# KiCad board WINDOW-4CH.kicad_pcb (continued)
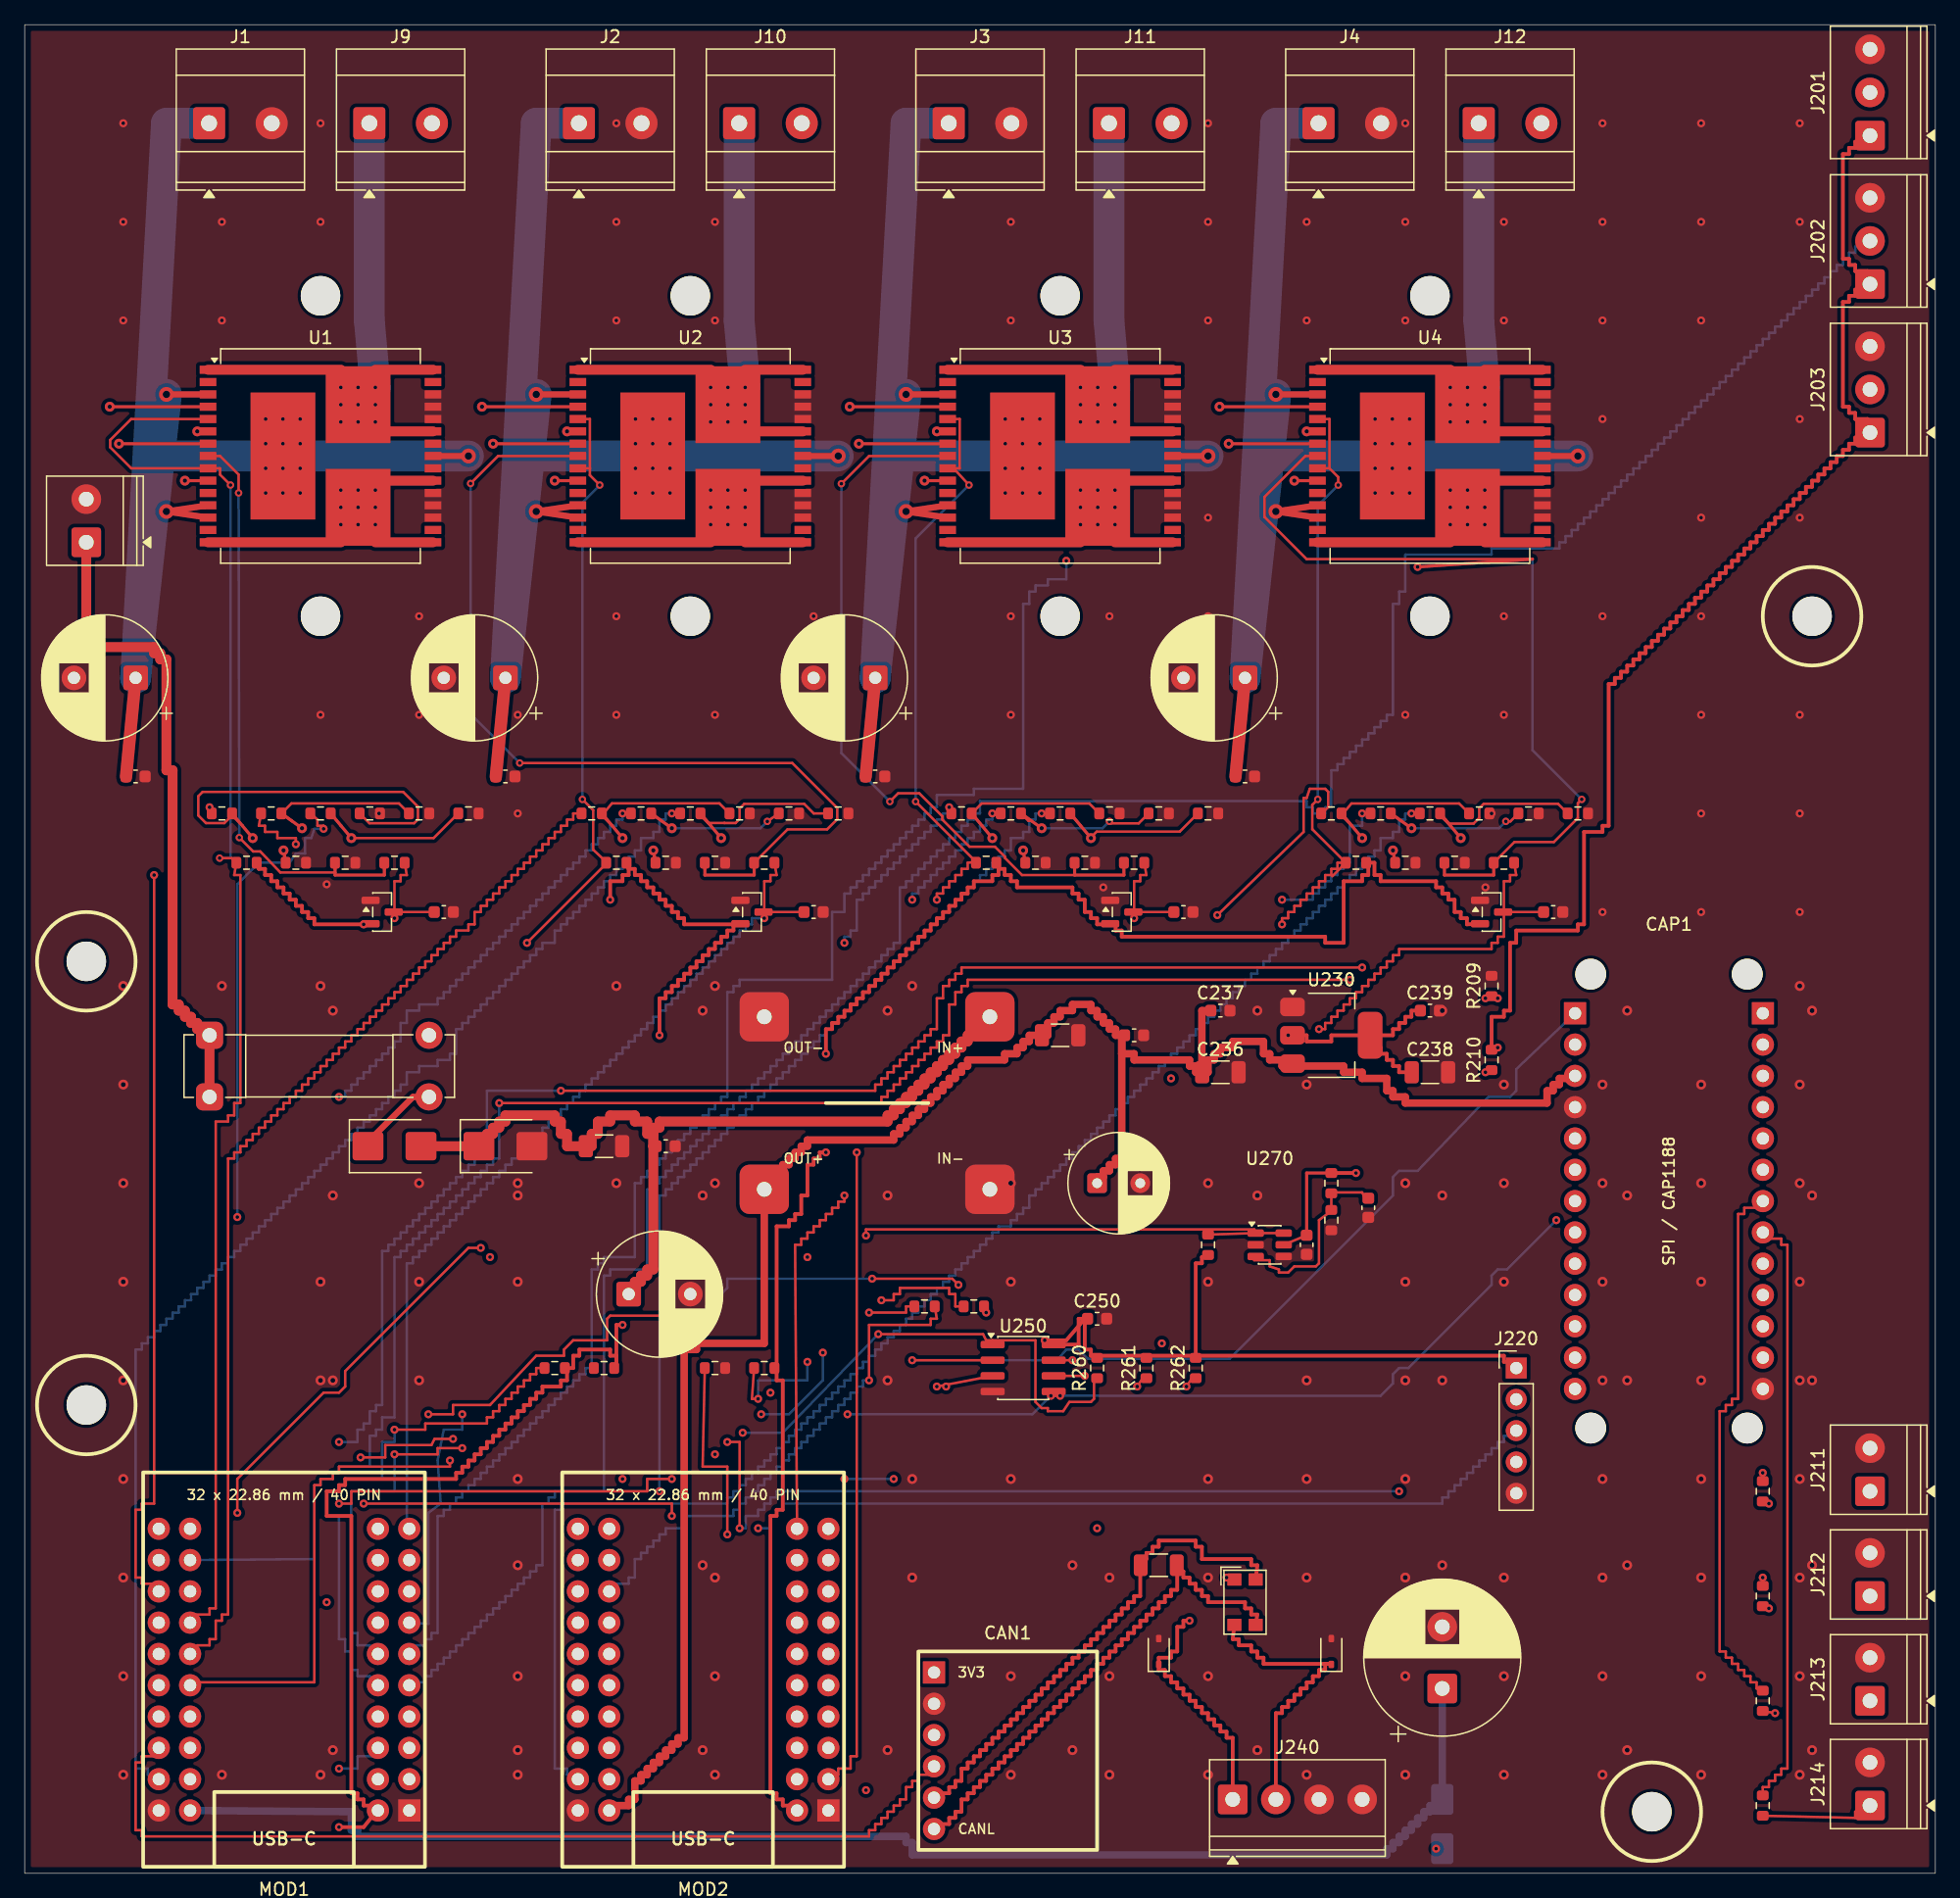
[diagram p0: board, top side]
## Nets (continued)

## Via types
v1: diameter 0.65, hole 0.3, Top to Bottom, 302 vias
v2: diameter 0.8, hole 0.4, Top to Bottom, 125 vias
v3: diameter 0.6, hole 0.3, Top to Bottom, 18 vias
v4: diameter 0.8, hole 0.35, Top to Bottom, 32 vias
v5: diameter 1.2, hole 0.6, Top to Bottom, 12 vias

## Routing (per net, layer and track width the routed paths; a pad name or vN(x,y) marks a point on that pad's centre or on a via; arc(x,y) is an arc through that point)
GND:
  vias: v1(8,142) v1(8,134) v1(8,126) v1(16,134) v1(16,126) v1(24,142) v1(24,134) v1(24,94) v1(24.5,80.25) v1(28.75,86) v1(32,102) v1(32,94) v1(40,94) v1(40,86) v1(48,142) v1(48,134) v1(48,126) v1(48,102) v1(48,94) v1(56,134) v1(56,126) v1(56,94) v1(64,102) v1(64,94) v1(80,134) v1(80,126) v1(80,102) v1(80,94) v1(87.5,80) v1(88,102) v1(96,142) v1(96,134) v1(96,126) v1(96,110) v1(96,102) v1(96,94) v1(104,134) v1(104,126) v1(112,142) v1(112,134) v1(112,126) v1(112,94) v1(118.5,80) v1(119,86) v1(120,134) v1(120,126) v1(120,102) v1(120,94) v1(128,142) v1(128,134) v1(128,126) v1(128,118) v1(128,102) v1(128,78) v1(136,142) v1(136,134) v1(136,126) v1(136,110) v1(136,102) v1(136,94) v1(136,86) v1(136,78) v1(144,142) v1(144,134) v1(144,118) v1(144,110) v1(144,94) v1(144,86) v1(144,78) v2(8,72) v2(8,64) v2(8,56) v2(8,48) v2(8,40) v2(8,32) v2(8,24) v2(8,16) v2(8,8) v2(16,72) v2(16,8) v2(24,72) v2(24,48) v2(24,40) v2(24,8) v2(25,70) v2(25,55) v2(25,40) v2(25,10) v2(32,56) v2(32,48) v2(32,40) v2(40,56) v2(40,55) v2(40,48) v2(40,32) v2(40,25) v2(40,16) v2(40,10) v2(40,8) v2(48,72) v2(48,56) v2(55,70) v2(55,55) v2(55,25) v2(55,10) v2(56,72) v2(56,56) v2(56,48) v2(56,24) v2(56,16) v2(56,8) v2(70,70) v2(70,55) v2(70,40) v2(70,10) v2(72,72) v2(72,32) v2(72,24) v2(80,56) v2(80,48) v2(80,32) v2(80,16) v2(80,8) v2(85,25) v2(85,10) v2(88,24) v2(88,16) v2(88,8) v2(96,56) v2(96,48) v2(96,32) v2(96,24) v2(96,16) v2(96,8) v2(100,70) v2(100,55) v2(100,10) v2(104,64) v2(104,40) v2(104,32) v2(104,24) v2(104,8) v2(112,56) v2(112,48) v2(112,40) v2(112,32) v2(112,24) v2(112,16) v2(112,8) v2(115,70) v2(115,55) v2(115,40) v2(115,25) v2(120,64) v2(120,56) v2(120,48) v2(120,24) v2(120,16) v2(120,8) v2(128,64) v2(128,56) v2(128,48) v2(128,40) v2(128,32) v2(128,24) v2(128,16) v2(128,8) v2(130,70) v2(130,55) v2(130,40) v2(130,25) v2(130,10) v2(136,64) v2(136,56) v2(136,48) v2(136,40) v2(136,32) v2(136,24) v2(136,16) v2(136,8) v2(144,72) v2(144,64) v2(144,56) v2(144,48) v2(144,40) v2(144,32) v2(144,24) v2(144,16) v2(144,8) v2(145,70) v2(145,55) v2(145,40) v2(145,25) v2(145,10)
CANH_BUS: length 50.4
  Top w0.3: CAN1.5 74,6 74,6.5 75,6.5 75,7 75.5,7 75.5,7.5 76,7.5 76,8.5 76.5,8.5 76.5,9 77,9 77,9.5 77.5,9.5 77.5,10 78,10 78,10.5 78.5,10.5 78.5,11 79,11 79,11.5 79.5,11.5 79.5,12 80,12 80,12.5 80.5,12.5 80.5,13 81,13 81,13.5 81.5,13.5 81.5,14 82,14 82,14.5 82.5,14.5 82.5,15 83,15 83,15.5 83.5,15.5 83.5,16 84,16 84,16.5 84.5,16.5 84.5,17 85,17 85,17.5 85.5,17.5 85.5,18 86,18 86,18.5 86.5,18.5 86.5,19 87,19 87,19.5 87.5,19.5 87.5,20 88,20 88,20.5 88.5,20.5 88.5,21 89,21 89,21.5 89.5,21.5 89.5,22 90,22 90,22.5 90.5,22.5 90.5,25.5 91,25.5 91,26 91.5,26 91.5,26.5 92,26.5 92,27 95,27 95,26.5 95.5,26.5 95.5,25.5 99.5,25.5 99.5,25 100,25 L240.4
CANH_ENTRY: length 30.2
  Top w0.3: v1(94.5,20.5) 94,20.5 94,20 93.5,20 93.5,18 93,18 93,17.5 92,17.5 92,16.5 92.5,16.5 92.5,16 93,16 93,15.5 93.5,15.5 93.5,15 94,15 94,14.5 94.5,14.5 94.5,14 95,14 95,13.5 95.5,13.5 95.5,13 96,13 96,12.5 96.5,12.5 96.5,12 97,12 97,11.5 97.5,11.5 97.5,11 98,11 J240.1 ; L240.1 v1(97.5,24)
  In1.Cu w0.3: v1(94.5,20.5) 94.5,21 95,21 95,21.5 95.5,21.5 95.5,22 96,22 96,22.5 96.5,22.5 96.5,23 97,23 97,23.5 97.5,23.5 v1(97.5,24)
CANL_BUS: length 52.6
  Top w0.3: 93.5,24.5 93.5,25 93.5,24.5 ; 93.5,24.5 94,24.5 94,24 94.5,24 94.5,23.5 95,23.5 95,23 95.5,23 95.5,22.5 96,22.5 96,22 99,22 99,21.5 99.5,21.5 99.5,21 100,21 L240.3 ; 93.5,24.5 93.5,23 93,23 93,22.5 92.5,22.5 92.5,22 92,22 92,21.5 91.5,21.5 91.5,21 91,21 91,20.5 90.5,20.5 90.5,20 90,20 90,19.5 89.5,19.5 89.5,19 89,19 89,18.5 88.5,18.5 88.5,18 88,18 88,17.5 87.5,17.5 87.5,17 87,17 87,16.5 86.5,16.5 86.5,16 86,16 86,15.5 85.5,15.5 85.5,15 85,15 85,14.5 84.5,14.5 84.5,14 84,14 84,13.5 83.5,13.5 83.5,13 83,13 83,12.5 82.5,12.5 82.5,12 82,12 82,11.5 81.5,11.5 81.5,11 81,11 81,10.5 80.5,10.5 80.5,10 80,10 80,9.5 79.5,9.5 79.5,9 79,9 79,8.5 78.5,8.5 78.5,8 78,8 78,7.5 77.5,7.5 77.5,7 77,7 77,6.5 76.5,6.5 76.5,6 76,6 76,5 75.5,5 75.5,4.5 75,4.5 75,4 74,4 74,3.5 CAN1.6
CANL_ENTRY: length 26.7
  Top w0.3: 105.5,17 106,17 105.5,17 ; 105.5,17 105.5,16.5 105,16.5 105,16 104.5,16 104.5,15.5 104,15.5 104,15 103.5,15 103.5,14.5 103,14.5 103,14 102.5,14 102.5,13.5 102,13.5 102,13 101.5,13 J240.2 ; 105.5,17 100.5,17 100.5,17.5 100,17.5 100,18 99.5,18 99.5,18.5 98.5,18.5 98.5,19 98,19 L240.2
CAP_C1_FIELD: length 9.7
  Top w0.2: v1(141.5,30) R201.2
  In2.Cu w0.2: v1(141.5,30) 141.5,31 J211.1
CAP_C1_RAW: length 31.8
  Top w0.2: v1(141,32.5) R201.1
  In2.Cu w0.2: CAP1.18 141,59 142.5,59 142.5,58.5 143,58.5 143,34 142.5,34 142.5,33.5 142,33.5 142,33 141.5,33 141.5,32.5 v1(141,32.5)
CAP_C2_FIELD: length 9.7
  Top w0.2: R202.2 v1(141.5,21.5)
  In1.Cu w0.2: J212.1 141.5,22.5 v1(141.5,21.5)
CAP_C2_RAW: length 37.8
  Top w0.2: R202.1 v1(141,24)
  In1.Cu w0.2: v1(141,24) 141.5,24 141.5,24.5 142,24.5 142,25 142.5,25 142.5,25.5 143,25.5 143,56 142.5,56 142.5,56.5 141,56.5 141.01,57.08
CAP_C3_FIELD: length 9.7
  Top w0.2: v1(142,13) R203.2
  In1.Cu w0.2: v1(142,13) 148.5,13 148.5,13.5 149,13.5 149,14 J213.1
CAP_C3_RAW: length 46.6
  Top w0.2: R203.1 140.5,15 140.5,15.5 140,15.5 140,16 139.5,16 139.5,16.5 139,16.5 139,17 138.5,17 138.5,17.5 138,17.5 138,18 137.5,18 137.5,37.5 138,37.5 138,38 138.5,38 138.5,38.5 139,38.5 139,53.5 139.5,53.5 139.5,54 141,54 CAP1.20
CAP_C4_FIELD: length 9.7
  Top w0.2: R204.2 148.5,4.5 148.5,5 149,5 149,5.5 J214.1
CAP_C4_RAW: length 49.7
  Top w0.2: R204.1 141,7 141.5,7 141.5,7.5 142,7.5 142,8 142.5,8 142.5,8.5 143,8.5 143,51 142.5,51 142.5,51.5 141,51.5 CAP1.21
CAP_CS: length 183.9
  Top w0.2: v1(108.5,73.5) 76,73.5 76,73 75.5,73 75.5,72.5 75,72.5 75,72 74.5,72 74.5,71 74,71 74,68.5 73.5,68.5 73.5,68 73,68 73,67.5 72.5,67.5 72.5,67 72,67 72,66.5 71.5,66.5 71.5,66 71,66 71,65.5 70.5,65.5 70.5,65 70,65 70,64.5 69.5,64.5 69.5,64 69,64 69,63.5 v1(43.5,63.5)
  In1.Cu w0.2: v1(24.5,22) 27.5,22 27.5,22.5 28.5,22.5 28.5,23 MOD1.18
  In2.Cu w0.2: v1(108.5,73.5) 124.5,73.5 124.5,74 125,74 125,75 126,75 126,75.5 132.5,75.5 132.5,75 133,75 133,74.5 133.5,74.5 133.5,74 134,74 134,73.5 134.5,73.5 134.5,73 135,73 135,72.5 135.5,72.5 135.5,72 136,72 136,71.5 136.5,71.5 136.5,71 137,71 137,70.5 137.5,70.5 137.5,70 138,70 138,69.5 138.5,69.5 138.5,69 139,69 139,68.5 139.5,68.5 139.5,68 140,68 140,67.5 140.5,67.5 140.5,67 141,67 CAP1.15 ; v1(24.5,22) 24.5,31 25.5,31 v1(25.5,35)
  Bottom w0.2: v1(43.5,63.5) 37.5,63.5 37.5,58.5 37,58.5 37,58 36.5,58 36.5,57.5 36,57.5 36,57 35.5,57 35.5,56.5 35,56.5 35,56 34.5,56 34.5,55.5 34,55.5 34,55 33.5,55 33.5,54.5 33,54.5 33,54 32.5,54 32.5,53.5 32,53.5 32,53 31.5,53 31.5,52.5 31,52.5 31,52 30.5,52 30.5,51.5 30,51.5 30,51 29.5,51 29.5,50.5 29,50.5 29,38 28.5,38 28.5,37.5 28,37.5 28,36.5 27.5,36.5 27.5,36 27,36 27,35 v1(25.5,35)
CAP_IRQ: length 165.7
  Top w0.2: v1(118.5,65) R210.1
  In1.Cu w0.2: v1(118.5,65) 118.5,64.5 118,64.5 118,64 117.5,64 117.5,63.5 117,63.5 117,63 116.5,63 116.5,62.5 116,62.5 116,62 115.5,62 115.5,61.5 115,61.5 115,61 114.5,61 114.5,60.5 114,60.5 114,60 113.5,60 113.5,59.5 113,59.5 113,59 112.5,59 112.5,58.5 112,58.5 112,58 111.5,58 111.5,57.5 111,57.5 111,57 110.5,57 110.5,56.5 110,56.5 110,56 109.5,56 109.5,55.5 109,55.5 109,55 108.5,55 108.5,54.5 108,54.5 108,54 107.5,54 107.5,53.5 107,53.5 107,53 106.5,53 106.5,52.5 106,52.5 106,52 105.5,52 105.5,51.5 105,51.5 105,51 104.5,51 104.5,50.5 104,50.5 104,50 103.5,50 103.5,44.5 103,44.5 103,44 102.5,44 102.5,43.5 102,43.5 102,43 101.5,43 101.5,42.5 101,42.5 101,42 100.5,42 100.5,41.5 100,41.5 100,41 99.5,41 99.5,40.5 99,40.5 99,40 98.5,40 98.5,39.5 98,39.5 98,39 97.5,39 97.5,38.5 97,38.5 97,38 96.5,38 96.5,37.5 96,37.5 96,37 95.5,37 95.5,36.5 95,36.5 95,36 94.5,36 94.5,35.5 94,35.5 94,35 93.5,35 93.5,34.5 93,34.5 93,34 92.5,34 92.5,33.5 92,33.5 92,33 91.5,33 91.5,32.5 91,32.5 91,32 90.5,32 90.5,31.5 90,31.5 90,31 89.5,31 89.5,30.5 89,30.5 89,30 88.5,30 88.5,29.5 88,29.5 88,29 87.5,29 87.5,28.5 87,28.5 v1(87,28)
  In2.Cu w0.2: v1(25.5,8.5) 26,8.5 26,8 26.5,8 26.5,4 27,4 27,3.5 27.5,3.5 27.5,3 66.5,3 66.5,3.5 67,3.5 67,4.5 67.5,4.5 67.5,14 68,14 68,14.5 68.5,14.5 68.5,15 69,15 69,15.5 69.5,15.5 69.5,16 70,16 70,16.5 70.5,16.5 70.5,17 71,17 71,17.5 71.5,17.5 71.5,18 72,18 72,18.5 72.5,18.5 72.5,19 73,19 73,19.5 73.5,19.5 73.5,20 74,20 74,20.5 74.5,20.5 74.5,21 75,21 75,21.5 75.5,21.5 75.5,22 76,22 76,22.5 76.5,22.5 76.5,23 77,23 77,23.5 77.5,23.5 77.5,24 78,24 78,24.5 78.5,24.5 78.5,25 79,25 79,25.5 79.5,25.5 79.5,26 80,26 80,26.5 80.5,26.5 80.5,27 81,27 81,27.5 81.5,27.5 81.5,28 v1(87,28)
  Bottom w0.2: MOD1.13 28.5,9.5 27,9.5 27,8.5 v1(25.5,8.5)
CAP_MISO: length 155.8
  Top w0.2: v1(68.75,48.25) 75.25,48.25 v1(75.75,47.75) ; U250.2 v1(72,41.64) ; v1(52.25,45.25) 47.5,45.25 47.25,45 47.25,43.25 44.5,43.25 43.75,42.5 43.75,42 41.5,42 37.75,38 34.75,38 34.75,37.25 v1(32.75,37.25)
  In2.Cu w0.2: v1(32.75,37.25) 32.75,29.5 28.25,29.5 28.25,29.25 27.75,29.25 27.25,28.75 27.25,21.5 MOD1.17 ; 72.25,41.75 72,41.75 72,44.25 v1(75.75,47.75)
  Bottom w0.2: v1(52.25,45.25) 53.75,45.25 53.75,45.5 55.25,45.75 55.5,47 56.5,47 57,47.5 57,48.25 v1(68.75,48.25) ; v1(72,41.64) 83.75,41.64 84.5,42.5 85.5,42.5 86.25,41.75 97.75,41.75 111,55 111,56.5 111.5,57 113,57 118.75,63 120.5,63 121,63.5 121,65.25 CAP1.1
CAP_MOSI: length 212.7
  Top w0.2: 83.5,38.75 v1(84,38.75) ; 83.5,38.75 83.5,39 83.5,38.75 ; 83.5,38.75 v1(83.25,38.75)
  In1.Cu w0.2: v1(66.75,37.25) 66.75,42.25 v1(64.75,42.25)
  In2.Cu w0.2: CAP1.14 141,69 146,69 146,33.25 143,33.25 143,31.75 141.25,31.75 141.25,31.5 140,31.5 140,33 124,33 124,53 v1(124.25,53) ; v1(35.5,37.25) v1(59.75,37.25)
  Bottom w0.2: v1(59.75,37.25) 62,37.25 64.75,40 v1(64.75,42.25) ; v1(66.75,37.25) 81.75,37.25 v1(83.25,38.75) ; v1(84,38.75) 110,38.75 111,39.75 111,40.5 111.5,41 112.25,41 119,47.75 119,48.5 119.5,49 120.25,49 v1(124.25,53) ; v1(35.5,37.25) 35.5,36 34,36 33.5,33.5 33.75,30 32.75,29.25 32.75,20.25 MOD1.7
CAP_RESET: length 191.6
  Top w0.2: v1(38.5,62.5) 69.5,62.5 69.5,63 70,63 70,63.5 70.5,63.5 70.5,64 71,64 71,64.5 71.5,64.5 71.5,65 72,65 72,65.5 72.5,65.5 72.5,66 73,66 73,66.5 73.5,66.5 73.5,67 74,67 74,67.5 74.5,67.5 74.5,68 75,68 75,70.5 75.5,70.5 75.5,71.5 76,71.5 76,72 76.5,72 76.5,72.5 v1(107.5,72.5) ; v1(118.5,71) v1(119.5,71)
  In1.Cu w0.2: v1(119.5,71) 124,71 124,71.5 124.5,71.5 124.5,74 125,74 125,75 126,75 126,75.5 130,75.5 130,75 130.5,75 130.5,74.5 131,74.5 131,74 131.5,74 131.5,73.5 132,73.5 132,73 132.5,73 132.5,72.5 133,72.5 133,72 133.5,72 133.5,71.5 134,71.5 134,71 134.5,71 134.5,70.5 135,70.5 135,70 135.5,70 135.5,69.5 136,69.5 136,69 136.5,69 136.5,68.5 137,68.5 137,68 137.5,68 137.5,67.5 138,67.5 138,67 138.5,67 138.5,66.5 139,66.5 139,66 139.5,66 139.5,65.5 140,65.5 140,65 140.5,65 140.5,64.5 CAP1.16 ; v1(118.5,71) 118.5,71.5 118,71.5 118,72 117.5,72 117.5,72.5 v1(107.5,72.5)
  Bottom w0.2: v1(38.5,62.5) 38.5,58 38,58 38,57.5 37.5,57.5 37.5,57 37,57 37,56.5 36.5,56.5 36.5,56 36,56 36,55.5 35.5,55.5 35.5,55 35,55 35,54.5 34.5,54.5 34.5,54 34,54 34,53.5 33.5,53.5 33.5,53 33,53 33,52.5 32.5,52.5 32.5,52 32,52 32,51.5 31.5,51.5 31.5,51 31,51 31,50.5 30.5,50.5 30.5,50 30,50 30,37 29,37 29,36 28.5,36 28.5,35.5 28,35.5 28,33 25.5,33 25.5,32.5 25,32.5 25,32 24,32 24,31.5 23.5,31.5 23.5,25.5 MOD1.29
CAP_SCK: length 362.8
  Top w0.2: U250.6 v1(86,40.36)
  In1.Cu w0.2: 95,68.75 95,75.25 117.5,75.25 117.5,108 105,108 105,118 94.75,118 94.75,98.75 88.75,98.75 88.75,78 87.25,78 87.25,76.5 36.25,76.5 36.25,23 MOD1.8 ; 95,68.75 95,40.25 ; 95,68.75 104.25,68.75 104.25,67.75 125.75,67.75 CAP1.2 ; 95,68.75 95,40.25 ; 95,40.25 v1(86,40.36) 95,40.25
CH1_CS_DIS: length 43.4
  Top w0.2: 21.09,82.5 R1108.1
  Top w0.25: v4(21,83) 21.18,82 ; v4(14,117) 14.88,117
  In1.Cu w0.25: v4(21,83) 14,83 v4(14,117)
CH1_CS_RAW: length 48.5
  Top w0.2: U1.8 15.85,115 17.36,113.5 v3(17.36,112) ; v3(17.41,84.04) 18.53,82.92 19.11,82.92 20.74,81.21 25.18,81.21 ; R1109.1 25.18,81.5 ; R1110.1 29.18,81.5
  Top w0.25: 29.18,82 29.18,81 25.18,81 25.18,82
  Bottom w0.2: v3(17.36,112) v3(17.41,84.04)
CH1_CURRENT_ADC: length 60
  Top w0.2: 30,78 C1103.1 ; 30,78 D1101.3 ; 30,78 D1101.3 ; 30,78 v1(30,77.5) ; 30,78 30,80.5 30.5,80.5 30.5,81 31,81 R1110.2 ; 30,78 D1101.3
  In1.Cu w0.2: MOD1.20 28.5,77 29,77 29,77.5 v1(30,77.5)
CH1_DIAG: length 119.4
  Top w0.2: v3(16.7,112.64) 15.85,113.49 15.85,114 8.65,114 6.94,115.71 6.94,116.3 8.64,118 U1.5 ; v3(15.82,82.37) 16.8,82.37 R1107.1 17,81 17.5,81 17.5,62.5 17,62.5 17,61.5 16.5,61.5 16.5,61 15.5,61 15.5,21.5 15,21.5 15,21 13.5,21 MOD1.27
  Bottom w0.2: v3(16.7,112.64) 16.7,82.37 v3(15.82,82.37)
CH1_INA: length 96
  Top w0.2: 17.66,85 16.82,85.84 ; 16.82,85.84 R1101.2 ; 16.82,85.84 16.2,85.22 14.7,85.22 14.09,85.84 14.09,87.39 14.44,87.75 30.7,87.75 31.9,86.55 31.9,85.51 31.6,85.21 27.97,85.21 R1104.1
  Top w0.25: 16.83,86 v4(18.5,84) ; 14.88,119 v4(6.9,119)
  In2.Cu w0.25: v4(18.5,84) 18.5,80 6.9,80 v4(6.9,119)
CH1_INA_MCU: length 100.8
  Top w0.2: R1101.1 v1(15,86.5)
  In2.Cu w0.2: MOD1.2 31,7.5 31,8 32,8 32,8.5 33,8.5 33,9.5 33.5,9.5 33.5,60.5 32,60.5 32,61 31,61 31,62 30.5,62 30.5,70.5 30,70.5 30,71 29.5,71 29.5,71.5 29,71.5 29,72 28.5,72 28.5,72.5 28,72.5 28,73 27.5,73 27.5,73.5 27,73.5 27,74 26.5,74 26.5,74.5 26,74.5 26,75 25.5,75 25.5,75.5 25,75.5 25,76 24.5,76 24.5,76.5 24,76.5 24,77 23.5,77 23.5,85.5 23,85.5 23,86 15,86 v1(15,86.5)
CH1_INB: length 53.7
  Top w0.2: 20.83,86 21.64,86.81 30.36,86.81 R1105.1 ; 21.66,85.4 R1102.2
  Top w0.25: 20.83,86 v4(22.5,84.8) ; 14.88,113 v4(13,113)
  In2.Cu w0.25: v4(13,113) 13,84.8 v4(22.5,84.8)
CH1_INB_MCU: length 88.2
  Top w0.2: v1(22,83.5) 22,84 20.5,84 20.5,84.5 19.5,84.5 19.5,85 19,85 R1102.1
  In2.Cu w0.2: v1(22,83.5) 22,82.5 22.5,82.5 22.5,76.5 23,76.5 23,76 23.5,76 23.5,75.5 24,75.5 24,75 24.5,75 24.5,74.5 25,74.5 25,74 25.5,74 25.5,73.5 26,73.5 26,73 26.5,73 26.5,9 27,9 27,8.5 27.5,8.5 27.5,8 28.5,8 28.5,7.5 MOD1.12
CH1_OUTA: length 58.4
  Top w0.8: U1.1 25.65,122 ; U1.30 28.45,122 ; U1.25 28.45,117
  Bottom w0.5: v1(27.05,117.77) v1(28.45,117.77) v1(28.45,119.16) ; v1(27.05,117.77) v1(25.65,117.77) v1(25.65,119.16) ; v1(27.05,117.77) v1(27.05,119.16) ; v1(27.05,119.16) v1(28.45,119.16) ; v1(27.05,119.16) v1(27.05,120.56) ; v1(27.05,119.16) v1(25.65,119.16) ; v1(28.45,119.16) v1(28.45,120.56) v1(27.05,120.56) ; v1(27.05,120.56) v1(25.65,120.56) v1(25.65,119.16)
  Bottom w2.5: v1(28.45,120.56) 27.96,126 J9.1
CH1_OUTB: length 80.3
  Top w0.8: U1.15 25.65,108 ; U1.16 28.45,108 ; U1.21 28.45,113
  In1.Cu w0.5: v1(27.05,110.84) v1(27.05,109.44) ; v1(27.05,110.84) v1(27.05,112.23) ; v1(27.05,110.84) v1(25.65,110.84) ; v1(27.05,110.84) v1(28.45,110.84) ; v1(27.05,109.44) v1(25.65,109.44) v1(25.65,110.84) ; v1(27.05,109.44) v1(28.45,109.44) v1(28.45,110.84) ; v1(25.65,110.84) v1(25.65,112.23) v1(27.05,112.23) ; v1(27.05,112.23) v1(28.45,112.23) v1(28.45,110.84)
  In1.Cu w2.5: v1(28.45,109.44) 33.04,105 J9.2
CH1_PWM: length 83.5
  Top w0.2: R1106.1 33.17,84 v4(26.5,84) ; 25.66,85 R1103.2
  Top w0.25: 14.88,116 v4(7.65,116) ; 24.83,86 v4(26.5,84)
  In1.Cu w0.25: v4(7.65,116) 7.65,78 26.5,78 v4(26.5,84)
CH1_PWM_MCU: length 86.6
  Top w0.2: R1103.1 23.75,85.5 23.75,85 24.25,85 v1(24.25,84.75)
  In2.Cu w0.2: MOD1.22 13.5,8.5 14.25,8.5 15,9.25 15,51.25 v1(17.25,53.25)
  Bottom w0.2: v1(17.25,53.25) 17.25,80.25 19,82 21.5,82 22,82.75 22.75,82.75 22.75,84 23.25,84 23.5,84.75 v1(24.25,84.75)
CH2_CS_DIS: length 43.4
  Top w0.2: 51.09,82.5 R1208.1
  Top w0.25: v4(51,83) 51.18,82 ; 44.88,117 v4(44,117)
  In1.Cu w0.25: v4(44,117) 44,83 v4(51,83)
CH2_CS_RAW: length 77.3
  Top w0.2: v3(40.16,90.09) 62.27,90.09 65.92,86.44 65.92,85.53 65.09,84.7 61.88,84.7 59.18,82 ; v3(36.17,112.77) 38.4,115 U2.8 ; R1210.1 59.18,81.5 ; 55.18,81.5 R1209.1
  Top w0.25: 59.18,82 59.18,81 55.18,81 55.18,82
  Bottom w0.2: v3(40.16,90.09) 36.17,94.07 v3(36.17,112.77)
CH2_CURRENT_ADC: length 87.6
  Top w0.2: 60,78 60,80.5 60.5,80.5 60.5,81 61,81 R1210.2 ; 60,78 v1(60,77.5) ; 60,78 D1201.3 ; 60,78 C1203.1 ; 60,78 D1201.3 ; 60,78 D1201.3
  Bottom w0.2: MOD1.10 31,28 31,49.5 31.5,49.5 31.5,50 32,50 32,50.5 32.5,50.5 32.5,51 33,51 33,51.5 33.5,51.5 33.5,52 34,52 34,52.5 34.5,52.5 34.5,53 35,53 35,53.5 35.5,53.5 35.5,54 36,54 36,54.5 36.5,54.5 36.5,55 37,55 37,55.5 37.5,55.5 37.5,56 38,56 38,56.5 38.5,56.5 38.5,57 39,57 39,57.5 39.5,57.5 39.5,58 40,58 40,58.5 40.5,58.5 40.5,59 41,59 41,59.5 41.5,59.5 41.5,60 42,60 42,60.5 42.5,60.5 42.5,61 43,61 43,61.5 43.5,61.5 43.5,62 44,62 44,62.5 44.5,62.5 44.5,63 45,63 45,63.5 45.5,63.5 45.5,64 46,64 46,64.5 46.5,64.5 46.5,65 47,65 47,65.5 47.5,65.5 47.5,66 48,66 48,66.5 48.5,66.5 48.5,67 49,67 49,67.5 49.5,67.5 49.5,68 50,68 50,68.5 50.5,68.5 50.5,69 51,69 51,69.5 51.5,69.5 51.5,70 52,70 52,70.5 52.5,70.5 52.5,71 53,71 53,71.5 53.5,71.5 53.5,72 54,72 54,72.5 54.5,72.5 54.5,73 55,73 55,73.5 55.5,73.5 55.5,74 56,74 56,74.5 56.5,74.5 56.5,75 57,75 57,75.5 57.5,75.5 57.5,76 58,76 58,76.5 58.5,76.5 58.5,77 59,77 59,77.5 v1(60,77.5)
CH2_DIAG: length 121.3
  Top w0.2: v3(45.25,87.14) 46.12,86.26 46.12,83.05 47.25,82 v1(40.75,75.5) ; U2.9 45.85,114 ; 45.85,114 45.85,118 U2.5 ; 45.85,114 45.85,113.44 v3(46.65,112.64)
  In1.Cu w0.2: v1(37.75,50) 37,50 37,22.75 36.5,22.25 32.75,22.25 32.75,12.25 32.5,12.25 32.25,11.5 31.25,11.25 MOD1.3
  In2.Cu w0.2: v1(37.75,50) 37.75,72.75 v1(40.75,75.5)
  Bottom w0.2: v3(45.25,87.14) 45.25,111.24 v3(46.65,112.64)
CH2_INA: length 77.1
  Top w0.2: 47.66,85 46.83,85.84 47.64,86.82 56.36,86.82 R1204.1
  Top w0.25: v4(48.5,84) 46.83,86 ; v4(37.1,119) 44.88,119
  In2.Cu w0.25: v4(48.5,84) 48.5,80 37.1,80 v4(37.1,119)
CH2_INA_MCU: length 99.8
  Top w0.2: R1201.1 44.5,86 44.5,85.5 44,85.5 44,85 43.5,85 43.5,84.5 43,84.5 43,84 42.5,84 42.5,83.5 42,83.5 42,83 41.5,83 41.5,82.5 41,82.5 41,82 40.5,82 40.5,81.5 40,81.5 40,81 39.5,81 39.5,80.5 39,80.5 39,80 38.5,80 38.5,79.5 38,79.5 38,79 37.5,79 37.5,78.5 37,78.5 37,78 36.5,78 36.5,77 36,77 36,76.5 35,76.5 35,76 34.5,76 34.5,75.5 34,75.5 34,75 33.5,75 33.5,74.5 33,74.5 33,74 32.5,74 32.5,73.5 32,73.5 32,73 31.5,73 31.5,72.5 31,72.5 31,72 30.5,72 30.5,71.5 30,71.5 30,71 29.5,71 29.5,70.5 29,70.5 29,70 28.5,70 28.5,69.5 28,69.5 28,69 27.5,69 27.5,68.5 27,68.5 27,68 26.5,68 26.5,67.5 26,67.5 26,67 25.5,67 25.5,66.5 25,66.5 25,66 24.5,66 24.5,65.5 24,65.5 24,65 23.5,65 23.5,64.5 23,64.5 23,64 22.5,64 22.5,63.5 22,63.5 22,63 21.5,63 21.5,62.5 21,62.5 21,62 20.5,62 20.5,61.5 20,61.5 20,61 19.5,61 19.5,60.5 19,60.5 19,60 18.5,60 18.5,59.5 18,59.5 18,59 17.5,59 17.5,58.5 17,58.5 17,58 16.5,58 16.5,21 16,21 16,20.5 15.5,20.5 15.5,19 15,19 15,18.5 14,18.5 14,18 MOD1.26
CH2_INB: length 51.8
  Top w0.2: 51.66,85.4 R1202.2 ; R1205.1 v3(60.25,85.35)
  Top w0.25: v4(52.5,84.8) 50.83,86 ; v4(43,113) 44.88,113
  In2.Cu w0.25: v4(52.5,84.8) 43,84.8 v4(43,113)
  Bottom w0.2: v3(60.25,85.35) 59.69,84.8 v4(52.5,84.8)
CH2_INB_MCU: length 110.4
  Top w0.2: R1202.1 v1(48.5,86)
  In2.Cu w0.2: v1(25.5,63) 25.5,62.5 25,62.5 25,62 24.5,62 24.5,61.5 24,61.5 24,61 23.5,61 23.5,60.5 23,60.5 23,60 22.5,60 22.5,59.5 22,59.5 22,59 21.5,59 21.5,58.5 21,58.5 21,58 20.5,58 20.5,57.5 20,57.5 20,57 19.5,57 19.5,56.5 19,56.5 19,56 18.5,56 18.5,55.5 18,55.5 18,55 17.5,55 17.5,54.5 17,54.5 17,54 16.5,54 16.5,53.5 16,53.5 16,53 15.5,53 15.5,52.5 15,52.5 15,52 14.5,52 14.5,51.5 14,51.5 14,51 13.5,51 13.5,50.5 13,50.5 13,50 12.5,50 12.5,49.5 12,49.5 12,49 11.5,49 11.5,48.5 11,48.5 11,48 10.5,48 10.5,47.5 10,47.5 10,47 9.5,47 9.5,46.5 9,46.5 9,19 9.5,19 9.5,18.5 10.5,18.5 10.5,18 11,18 MOD1.36
  Bottom w0.2: v1(25.5,63) 26,63 26,63.5 26.5,63.5 26.5,64 27,64 27,64.5 27.5,64.5 27.5,65 28,65 28,65.5 28.5,65.5 28.5,66 29,66 29,66.5 29.5,66.5 29.5,67 30,67 30,67.5 30.5,67.5 30.5,69 31,69 31,70 32,70 32,70.5 33.5,70.5 33.5,71 34,71 34,71.5 34.5,71.5 34.5,72 35,72 35,72.5 35.5,72.5 35.5,73 36,73 36,73.5 36.5,73.5 36.5,74 37,74 37,74.5 37.5,74.5 37.5,75 38,75 38,75.5 38.5,75.5 38.5,76 39,76 39,76.5 39.5,76.5 39.5,77 40,77 40,77.5 40.5,77.5 40.5,78 41,78 41,78.5 41.5,78.5 41.5,79 42,79 42,79.5 42.5,79.5 42.5,80 43,80 43,80.5 43.5,80.5 43.5,81 44,81 44,81.5 44.5,81.5 44.5,82 45,82 45,82.5 45.5,82.5 45.5,83 46,83 46,83.5 46.5,83.5 46.5,84 47,84 47,84.5 47.5,84.5 47.5,85 48,85 48,85.5 48.5,85.5 v1(48.5,86)
CH2_OUTA: length 58.4
  Top w0.8: U2.30 58.45,122 ; U2.1 55.65,122 ; U2.25 58.45,117
  Bottom w0.5: v1(57.05,119.16) v1(57.05,117.77) ; v1(57.05,119.16) v1(57.05,120.56) ; v1(57.05,119.16) v1(55.65,119.16) ; v1(57.05,119.16) v1(58.45,119.16) ; v1(57.05,117.77) v1(55.65,117.77) v1(55.65,119.16) ; v1(57.05,117.77) v1(58.45,117.77) v1(58.45,119.16) ; v1(57.05,120.56) v1(58.45,120.56) v1(58.45,119.16) ; v1(57.05,120.56) v1(55.65,120.56) v1(55.65,119.16)
  Bottom w2.5: J10.1 57.96,126 v1(58.45,120.56)
CH2_OUTB: length 80.3
  Top w0.8: U2.15 55.65,108 ; U2.21 58.45,113 ; U2.16 58.45,108
  In1.Cu w0.5: v1(57.05,112.23) v1(58.45,112.23) v1(58.45,110.84) ; v1(57.05,112.23) v1(57.05,110.84) ; v1(57.05,112.23) v1(55.65,112.23) v1(55.65,110.84) ; v1(57.05,109.44) v1(55.65,109.44) v1(55.65,110.84) ; v1(57.05,109.44) v1(57.05,110.84) ; v1(57.05,109.44) v1(58.45,109.44) v1(58.45,110.84) ; v1(57.05,110.84) v1(58.45,110.84) ; v1(57.05,110.84) v1(55.65,110.84)
  In1.Cu w2.5: v1(58.45,109.44) 63.04,105 J10.2
CH2_PWM: length 87.5
  Top w0.2: 55.66,85 54.83,85.84 R1203.2 ; 55.48,85.22 56.77,85.22 56.77,85.22 57.67,85.22 58,85.55 58,86.4 58.38,86.78 63.23,86.78 64.01,86 R1206.1
  Top w0.25: 44.88,116 U2.7 v4(38,116) ; v4(56.5,84) 55.66,85 55.48,85.22 54.83,86
  In1.Cu w0.25: v4(38,116) 38,100 36.5,100 36.5,78 56.5,78 v4(56.5,84)
CH2_PWM_MCU: length 124.6
  Top w0.2: v1(52.5,86) R1203.1
  Bottom w0.2: v1(52.5,86) 52,86 52,85.5 51.5,85.5 51.5,84.5 51,84.5 51,84 50,84 50,83 49.5,83 49.5,82.5 49,82.5 49,82 48.5,82 48.5,81.5 48,81.5 48,81 47.5,81 47.5,80.5 47,80.5 47,80 46.5,80 46.5,79.5 46,79.5 46,79 45.5,79 45.5,78.5 45,78.5 45,78 44.5,78 44.5,77.5 44,77.5 44,77 43.5,77 43.5,76.5 43,76.5 43,75.5 42,75.5 42,75 41.5,75 41.5,74.5 41,74.5 41,74 40.5,74 40.5,73.5 40,73.5 40,73 39.5,73 39.5,72.5 39,72.5 39,72 38.5,72 38.5,71.5 38,71.5 38,71 37.5,71 37.5,70.5 37,70.5 37,70 36.5,70 36.5,69.5 36,69.5 36,69 35.5,69 35.5,68.5 35,68.5 35,66.5 34.5,66.5 34.5,66 33.5,66 33.5,65.5 32,65.5 32,65 31,65 31,64 30.5,64 30.5,63.5 30,63.5 30,63 29.5,63 29.5,62.5 29,62.5 29,62 28.5,62 28.5,61.5 28,61.5 28,61 27.5,61 27.5,60.5 27,60.5 27,60 26.5,60 26.5,59.5 26,59.5 26,59 25.5,59 25.5,58.5 25,58.5 25,58 24.5,58 24.5,57.5 24,57.5 24,57 23.5,57 23.5,56.5 23,56.5 23,56 22.5,56 22.5,55.5 22,55.5 22,55 21.5,55 21.5,54.5 21,54.5 21,54 20.5,54 20.5,53.5 20,53.5 20,53 19.5,53 19.5,52.5 19,52.5 19,52 18.5,52 18.5,51.5 18,51.5 18,51 17.5,51 17.5,50.5 17,50.5 17,50 16.5,50 16.5,49.5 16,49.5 16,49 15.5,49 15.5,48.5 15,48.5 15,48 14.5,48 14.5,47.5 14,47.5 14,47 13.5,47 13.5,46.5 13,46.5 13,46 12.5,46 12.5,45.5 12,45.5 12,45 11.5,45 11.5,44.5 11,44.5 11,44 10.5,44 10.5,43.5 10,43.5 10,43 9.5,43 9.5,42.5 9,42.5 9,8.5 10,8.5 10,8 11,8 MOD1.32
CH3_CS_DIS: length 42.9
  Top w0.25: U3.6 v4(74,117) ; v4(81,83) R1308.1
  In1.Cu w0.25: v4(74,117) 74,83 v4(81,83)
CH3_CS_RAW: length 61.2
  Top w0.2: v3(66.25,112.75) 68.5,115 U3.8 ; v3(70.19,86.96) 70.86,87.63 72.58,87.63 74.44,85.77 74.44,85.5 76.64,83.3 78.71,83.3 79.53,82.48 79.53,82.38 80.91,81 85.17,81
  Top w0.25: R1309.1 85.17,81 89.17,81 R1310.1
  Bottom w0.2: v3(70.19,86.96) 66.25,90.9 v3(66.25,112.75)
CH3_CURRENT_ADC: length 86
  Top w0.2: D1301.3 90,78 ; D1301.3 90,78 ; D1301.3 90,78 ; 90,78 C1303.1 ; 90,78 90,80.5 90.5,80.5 90.5,81 91,81 R1310.2 ; 90,78 v1(90,77.5) ; MOD2.20 62.5,51 63,51 63,51.5 63.5,51.5 63.5,52 64,52 64,52.5 64.5,52.5 64.5,53 65,53 65,53.5 65.5,53.5 65.5,54 66,54 66,54.5 66.5,54.5 v1(66.5,55)
  In1.Cu w0.2: v1(66.5,55) 67,55 67,55.5 67.5,55.5 67.5,56 68,56 68,56.5 68.5,56.5 68.5,57 69,57 69,57.5 69.5,57.5 69.5,58 70,58 70,58.5 70.5,58.5 70.5,59 71,59 71,59.5 71.5,59.5 71.5,60 72,60 72,60.5 72.5,60.5 72.5,61 73,61 73,61.5 73.5,61.5 73.5,62 74,62 74,62.5 74.5,62.5 74.5,63 75,63 75,63.5 75.5,63.5 75.5,64 76,64 76,64.5 76.5,64.5 76.5,65 77,65 77,65.5 77.5,65.5 77.5,66 78,66 78,66.5 80,66.5 80,67 80.5,67 80.5,67.5 81,67.5 81,68 81.5,68 81.5,70 82,70 82,70.5 82.5,70.5 82.5,71 83,71 83,71.5 83.5,71.5 83.5,72 84,72 84,72.5 84.5,72.5 84.5,73 85,73 85,73.5 85.5,73.5 85.5,74 86,74 86,74.5 86.5,74.5 86.5,75 87,75 87,75.5 87.5,75.5 87.5,76 88,76 88,76.5 88.5,76.5 88.5,77 89,77 89,77.5 v1(90,77.5)
CH3_DIAG: length 133.5
  Top w0.2: v1(74,79) 74,79.5 74.5,79.5 74.5,80 75,80 75,80.5 75.5,80.5 75.5,81 76,81 76,81.5 76.5,81.5 76.5,82 77.17,82.07 v3(72.28,86.96) ; 75.36,114 v3(76.61,112.64) ; 75.36,114 U3.9 ; 75.36,114 75.85,114 75.85,118 U3.5
  In1.Cu w0.2: v1(63.5,50) 51,50 51,45.5 50.5,45.5 50.5,45 49.5,45 49.5,21.5 49,21.5 49,21 47.5,21 MOD2.27
  In2.Cu w0.2: v1(74,79) 73.5,79 73.5,78.5 73,78.5 73,78 72.5,78 72.5,77.5 72,77.5 72,77 71.5,77 71.5,76.5 71,76.5 71,76 70.5,76 70.5,75.5 70,75.5 70,75 69.5,75 69.5,74.5 69,74.5 69,74 68.5,74 68.5,73.5 68,73.5 68,73 67.5,73 67.5,72.5 67,72.5 67,72 66.5,72 66.5,71.5 66,71.5 66,71 65.5,71 65.5,70.5 65,70.5 65,70 64.5,70 64.5,69.5 64,69.5 64,53 63.5,53 v1(63.5,50)
  Bottom w0.2: v3(72.28,86.96) 72.28,108.31 v3(76.61,112.64)
CH3_INA: length 77.4
  Top w0.2: R1301.2 77.67,85 ; R1304.1 86.37,86.81 77.64,86.81 76.83,86
  Top w0.25: 76.83,86 v4(78.5,84) ; v4(66.93,119) 74.88,119
  In2.Cu w0.25: v4(66.93,119) 66.93,80 78.5,80 v4(78.5,84)
CH3_INA_MCU: length 91.8
  Top w0.2: v1(75,86.5) R1301.1 ; v1(67.5,58.5) 67.5,9.5 67,9.5 67,8.5 66,8.5 66,8 65,8 65,7.5 MOD2.2
  In1.Cu w0.2: v1(67.5,58.5) 67.5,75.5 v1(66.5,75.5)
  Bottom w0.2: v1(75,86.5) 75,86 74.5,86 74.5,85.5 74,85.5 74,85 73.5,85 73.5,84.5 73,84.5 73,84 72.5,84 72.5,83.5 72,83.5 72,83 71.5,83 71.5,82.5 71,82.5 71,82 70.5,82 70.5,81.5 70,81.5 70,81 69.5,81 69.5,80.5 69,80.5 69,80 68.5,80 68.5,79.5 68,79.5 68,79 67.5,79 67.5,76.5 67,76.5 67,76 66.5,76 v1(66.5,75.5)
CH3_INB: length 52
  Top w0.2: v3(88,85.35) 88.16,85.2 90.37,85.2 R1305.1 ; R1302.2 81.42,85.4 81.67,85.4
  Top w0.25: v4(82.5,84.8) 80.83,86 ; v4(73,113) U3.10 74.88,113
  In2.Cu w0.25: v4(82.5,84.8) 73,84.8 v4(73,113)
  Bottom w0.2: v3(88,85.35) 87.45,84.8 v4(82.5,84.8)
CH3_INB_MCU: length 99.4
  Top w0.2: R1302.1 v1(78.5,86)
  In1.Cu w0.2: v1(60.5,39) 60.5,9 61,9 61,8.5 61.5,8.5 61.5,8 62.5,8 62.5,7.5 MOD2.12
  In2.Cu w0.2: v1(72,79) 71.5,79 71.5,78.5 71,78.5 71,78 70.5,78 70.5,77.5 70,77.5 70,77 69.5,77 69.5,76.5 69,76.5 69,76 68.5,76 68.5,75.5 68,75.5 68,75 67.5,75 67.5,74.5 67,74.5 67,74 66.5,74 66.5,73.5 66,73.5 66,73 65.5,73 65.5,72.5 65,72.5 65,72 64.5,72 64.5,71.5 64,71.5 64,71 63.5,71 63.5,70.5 63,70.5 63,53.5 62.5,53.5 62.5,53 62,53 62,52.5 60.5,52.5 v1(60.5,39)
  Bottom w0.2: v1(78.5,86) 78.5,85.5 78,85.5 78,85 77.5,85 77.5,84.5 77,84.5 77,84 76.5,84 76.5,83.5 76,83.5 76,83 75.5,83 75.5,82.5 75,82.5 75,82 74.5,82 74.5,81.5 74,81.5 74,81 73.5,81 73.5,80.5 73,80.5 73,80 72.5,80 72.5,79.5 72,79.5 v1(72,79)
CH3_OUTA: length 58.4
  Top w0.8: U3.1 85.65,122 ; U3.30 88.45,122 ; U3.25 88.45,117
  Bottom w0.5: v1(87.05,117.77) v1(88.45,117.77) v1(88.45,119.16) ; v1(87.05,117.77) v1(87.05,119.16) ; v1(87.05,117.77) v1(85.65,117.77) v1(85.65,119.16) ; v1(87.05,120.56) v1(88.45,120.56) v1(88.45,119.16) ; v1(87.05,120.56) v1(85.65,120.56) v1(85.65,119.16) ; v1(87.05,120.56) v1(87.05,119.16) ; v1(88.45,119.16) v1(87.05,119.16) ; v1(87.05,119.16) v1(85.65,119.16)
  Bottom w2.5: J11.1 87.96,126 v1(88.45,120.56)
CH3_OUTB: length 80.3
  Top w0.8: U3.21 88.45,113 ; U3.15 85.65,108 ; U3.16 88.45,108
  In1.Cu w0.5: v1(87.05,112.23) v1(88.45,112.23) v1(88.45,110.84) ; v1(87.05,112.23) v1(85.65,112.23) v1(85.65,110.84) ; v1(87.05,112.23) v1(87.05,110.84) ; v1(85.65,110.84) v1(87.05,110.84) ; v1(85.65,110.84) v1(85.65,109.44) v1(87.05,109.44) ; v1(87.05,110.84) v1(88.45,110.84) ; v1(87.05,110.84) v1(87.05,109.44) ; v1(87.05,109.44) v1(88.45,109.44) v1(88.45,110.84)
  In1.Cu w2.5: v1(88.45,109.44) 93.04,105 J11.2
CH3_PWM: length 83.5
  Top w0.2: 86.47,84.03 86.97,84.52 93.7,84.52 R1306.1 ; R1303.2 85.67,85
  Top w0.25: v4(67.67,116) 74.88,116 ; v4(86.5,84) 84.83,86
  In1.Cu w0.25: v4(67.67,116) 67.67,78 86.5,78 v4(86.5,84)
CH3_PWM_MCU: length 114
  Top w0.2: R1303.1 v1(82.5,86)
  In1.Cu w0.2: MOD2.22 47.5,8 48.5,8 48.5,8.5 49,8.5 49,9 49.5,9 49.5,18 50,18 50,18.5 50.5,18.5 50.5,20 51,20 51,20.5 51.5,20.5 v1(51.5,31)
  Bottom w0.2: v1(82.5,86) 82,86 82,85.5 81.5,85.5 81.5,84.5 81,84.5 81,84 80,84 80,83 79.5,83 79.5,82.5 79,82.5 79,82 78.5,82 78.5,81.5 78,81.5 78,81 77.5,81 77.5,80.5 77,80.5 77,80 76.5,80 76.5,79.5 76,79.5 76,79 75.5,79 75.5,78.5 75,78.5 75,78 74.5,78 74.5,77.5 74,77.5 74,77 73.5,77 73.5,76.5 73,76.5 73,76 72.5,76 72.5,75.5 72,75.5 72,75 71.5,75 71.5,74.5 71,74.5 71,74 70.5,74 70.5,73.5 70,73.5 70,73 69.5,73 69.5,72.5 69,72.5 69,72 68.5,72 68.5,71.5 68,71.5 68,71 67.5,71 67.5,70.5 67,70.5 67,70 66.5,70 66.5,69.5 66,69.5 66,69 65.5,69 65.5,68.5 65,68.5 65,68 64.5,68 64.5,67.5 64,67.5 64,67 63.5,67 63.5,66.5 63,66.5 63,66 62.5,66 62.5,65.5 62,65.5 62,65 61.5,65 61.5,64.5 61,64.5 61,64 60.5,64 60.5,63.5 60,63.5 60,63 59.5,63 59.5,62.5 59,62.5 59,62 58.5,62 58.5,61.5 58,61.5 58,61 57.5,61 57.5,60.5 57,60.5 57,60 56.5,60 56.5,59.5 56,59.5 56,59 55.5,59 55.5,58.5 55,58.5 55,58 54.5,58 54.5,57.5 54,57.5 54,57 53.5,57 53.5,56.5 53,56.5 53,56 52.5,56 52.5,55.5 52,55.5 52,55 51.5,55 v1(51.5,31)
CH4_CS_DIS: length 42.9
  Top w0.25: U4.6 v4(104,117) ; v4(111,83) R1408.1
  In1.Cu w0.25: v4(104,117) 104,83 v4(111,83)
CH4_CS_RAW: length 86.3
  Top w0.2: R1410.1 120.85,83.68 124.05,83.68 126,85.62 126,86.83 v3(126.31,87.14) ; U4.8 103.9,115 100.58,111.68 100.58,110.05 104,106.64 122.32,106.64
  Top w0.25: 122.32,106.64 v1(113,106) ; R1410.1 119.17,81 115.17,81 R1409.1
  Bottom w0.2: 122.32,106.64 122.32,91.13 v3(126.31,87.14)
  Bottom w0.25: 122.32,106.64 v1(113,106)
CH4_CURRENT_ADC: length 113.5
  Top w0.2: v1(105,68.5) 105.5,68.5 105.5,69 106,69 106,69.5 106.5,69.5 106.5,70 107,70 107,70.5 107.5,70.5 107.5,71 108,71 108,71.5 108.5,71.5 108.5,72 109,72 109,72.5 109.5,72.5 109.5,73 110,73 110,73.5 110.5,73.5 110.5,74 111,74 111,74.5 111.5,74.5 111.5,75 119,75 119,75.5 119.5,75.5 119.5,76 120,76 120,78 ; R1410.2 121,81 120.5,81 120.5,80.5 120,80.5 120,78 ; D1401.3 120,78 ; D1401.3 120,78 ; D1401.3 120,78 ; 120,78 C1403.1
  In2.Cu w0.2: v1(105,68.5) 105,68 104.5,68 104.5,67.5 104,67.5 104,67 103.5,67 103.5,66.5 103,66.5 103,66 102.5,66 102.5,65.5 102,65.5 102,65 101.5,65 101.5,64.5 101,64.5 101,64 100.5,64 100.5,63.5 100,63.5 100,63 99.5,63 99.5,62.5 99,62.5 99,62 98.5,62 98.5,61.5 98,61.5 98,61 97.5,61 97.5,60.5 97,60.5 97,60 96.5,60 96.5,59.5 96,59.5 96,59 95.5,59 95.5,58.5 95,58.5 95,58 86,58 86,57.5 85.5,57.5 85.5,57 85,57 85,48 84.5,48 84.5,47.5 84,47.5 84,47 83.5,47 83.5,46.5 83,46.5 83,46 82.5,46 82.5,45.5 82,45.5 82,45 81.5,45 81.5,44.5 81,44.5 81,44 80.5,44 80.5,43.5 80,43.5 80,43 79.5,43 79.5,42.5 79,42.5 79,42 78.5,42 78.5,41.5 78,41.5 78,41 77.5,41 77.5,40.5 77,40.5 77,40 76.5,40 76.5,39.5 76,39.5 76,39 75.5,39 75.5,38.5 75,38.5 75,38 74.5,38 74.5,37.5 74,37.5 74,37 73.5,37 73.5,36.5 73,36.5 73,36 72.5,36 72.5,35.5 72,35.5 72,35 71.5,35 71.5,34.5 71,34.5 71,34 70.5,34 70.5,33.5 70,33.5 70,33 69.5,33 69.5,32.5 69,32.5 69,32 68.5,32 68.5,31.5 68,31.5 68,31 67.5,31 67.5,30.5 67,30.5 67,30 66.5,30 66.5,29.5 66,29.5 66,29 65.5,29 65.5,28.5 65,28.5 MOD2.10
